# Altium PCB pcb.PcbDoc (part 1 of 2) (continued)
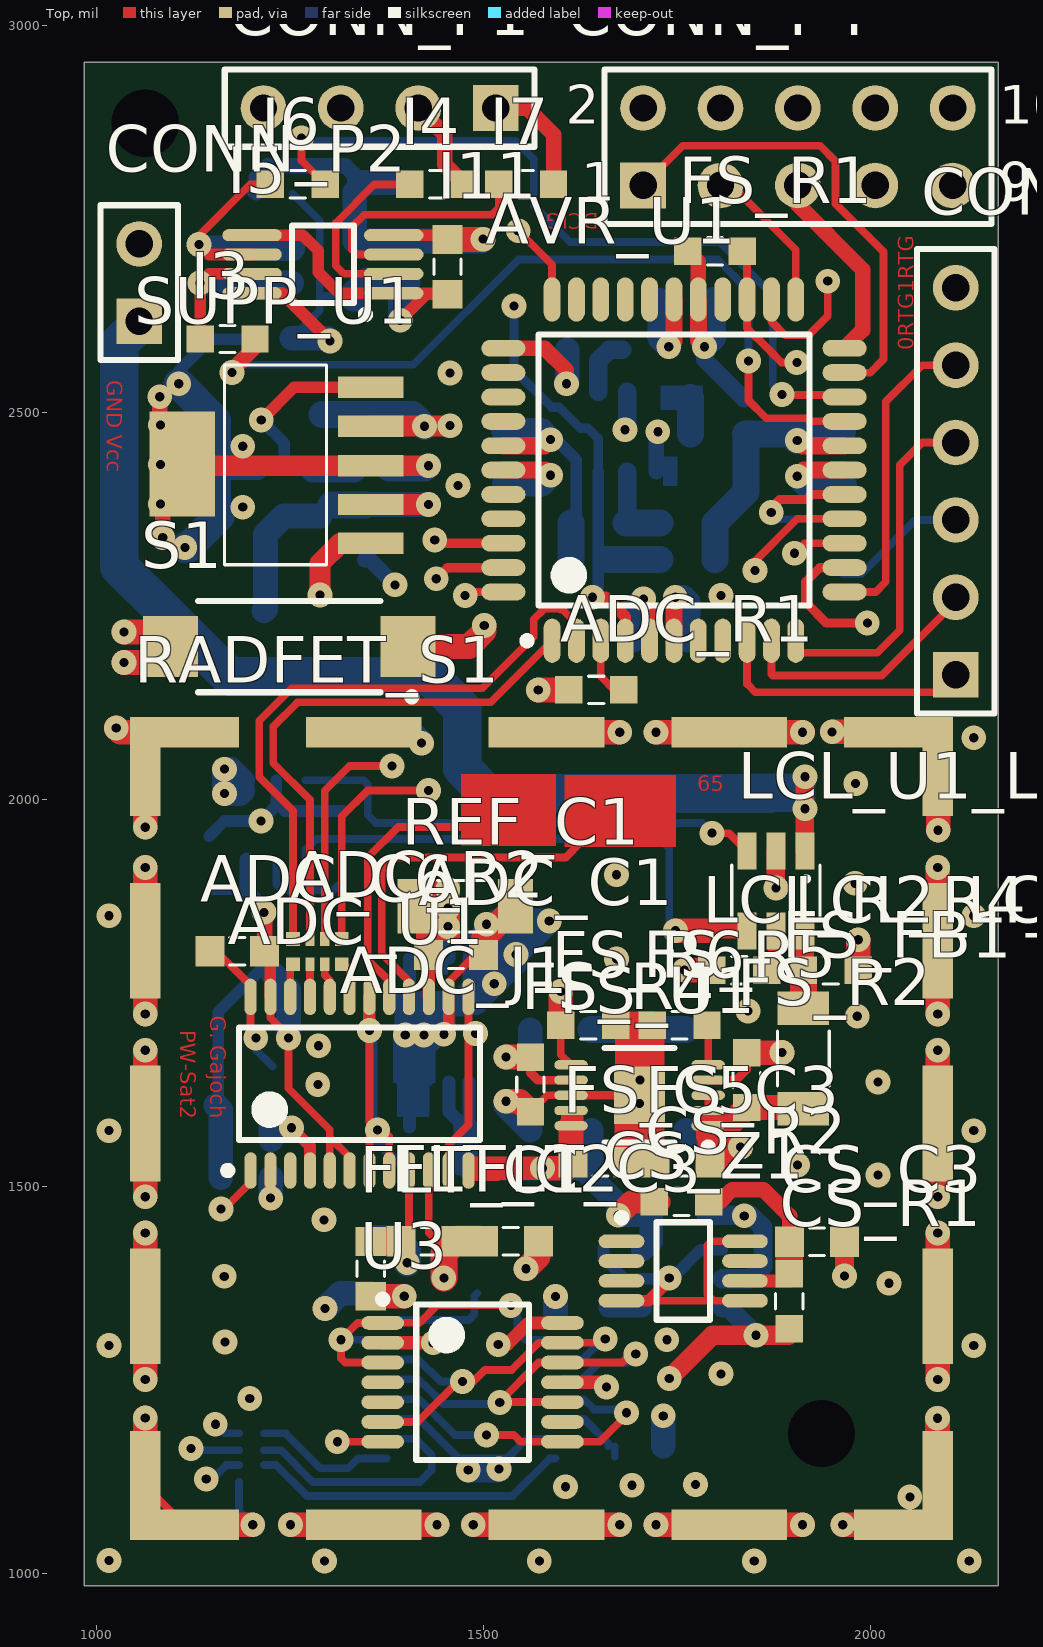
[diagram p0: Top view]
## Components (designator, comment, footprint, x,y, rotation, side; value= is the part's Value field where it differs from the comment)
ADC_C1 "Cap" SMD_Capacitor_0603 1464.57,1799.21 r0 top
ADC_C2 "Cap" SMD_Capacitor_0603 1190,1605 r0 bottom
ADC_C4 "Cap" SMD_Capacitor_0603 1432.88,1522.95 r180 bottom
ADC_C5 "Cap" SMD_Capacitor_1206 1216.88,1709.95 r270 bottom
ADC_C6 "Cap" SMD_Capacitor_0603 1181.88,1803.95 r180 top
ADC_C7 "Cap" SMD_Capacitor_0603 1441.88,1574.95 r180 bottom
ADC_J1 "2 way net tie junction" 2way_LP#1 1322,1704 r180 top net-tie
ADC_J2 "2 way net tie junction" 2way_LP#2 1370,1637 r0 bottom net-tie
ADC_R1 "100R" SMD_Resistor_0603 1645.67,2141.73 r180 top
ADC_R2 "YC124-JR-072K2L" SMD_RESISTOR_ARRAY_YC124 1253.88,1819.95 r0 top
ADC_U1 "AD7714YRZ" TSSOP-24-RU-24-N 1339.88,1632.95 r90 top
AVR_C1 "100n/50V" SMD_Capacitor_0603 1763.8,2310.44 r0 bottom
AVR_C2 "100n/50V" SMD_Capacitor_0603 1962.8,2441.44 r90 bottom
AVR_C3 "100n/50V" SMD_Capacitor_0603 1728.8,2206.44 r0 bottom
AVR_C4 "100n/50V" SMD_Capacitor_0603 1525.8,2441.44 r270 bottom
AVR_C5 "100n/50V" SMD_Capacitor_0603 1762.8,2645.44 r180 bottom
AVR_C6 "100n/50V" SMD_Capacitor_0603 1803.8,2424.44 r0 bottom
AVR_R1 "100R" SMD_Resistor_0603 1648.8,2357.44 r0 bottom
AVR_R2 "100R" SMD_Resistor_0603 1803.15,2519.68 r180 bottom
AVR_R3 "100R" SMD_Resistor_0603 1643.8,2581.44 r180 bottom
AVR_R4 "100R" SMD_Resistor_0603 1763.8,2357.44 r0 bottom
AVR_R5 "100R" SMD_Resistor_0603 1803.15,2472.44 r0 bottom
AVR_U1 "ATMEGA164PV-10AQ" TQFP-44 1746.37,2425.44 r90 top locked
CONN_P1 "Header 4" "HEADER 1x4 MALE" 1515.75,2893.7 r180 top
CONN_P2 "Header 2" "HEADER 1X2 Male" 1055.12,2618.11 r90 top
CONN_P3 "Header 6" "HEADER 1X6 MALE" 2110.24,2161.42 r90 top
CONN_P4 "Header 5X2" "HEADER 2X5 MALE" 1706.3,2793.7 r0 top
CS_C2 "Cap" SMD_Capacitor_0603 1752.16,1462.89 r0 bottom
CS_C3 "Cap" SMD_Capacitor_0603 1931.16,1428.89 r180 top
CS_R1 "12k/0.01%/5 PPM" SMD_Resistor_0603 1895.16,1351.89 r270 top
CS_R2 "10k" SMD_Resistor_0603 1755.91,1480.32 r0 top
CS_R3 "20k" SMD_Resistor_0603 1655.16,1384.89 r270 bottom
CS_U1 "LTC2054" SOT23-5 1757.16,1380.89 r180 bottom
CS_Z1 "1.25V" MSOP-8 1758.16,1390.89 r0 top
FLT_C1 "Cap" SMD_Capacitor_0603 1354.33,1393.7 r90 top
FLT_C2 "Cap" SMD_Capacitor_0603 1429.13,1429.13 r0 top
FLT_C3 "Cap" SMD_Capacitor_0603 1535.43,1429.13 r0 top
FLT_R1 "1k" SMD_Resistor_0603 1354.33,1397.64 r90 bottom
FLT_R2 "1k" SMD_Resistor_0603 1492.13,1397.64 r90 bottom
FS_C2 "Cap" SMD_Capacitor_1206 1761.32,1637.8 r90 bottom
FS_C3 "Cap" SMD_Capacitor_0603 1757.39,1531.5 r180 top
FS_C4 "Cap" SMD_Capacitor_1206 1639.28,1637.8 r90 bottom
FS_C5 "Cap" SMD_Capacitor_0603 1651.09,1531.5 r0 top
FS_C6 "Cap" SMD_Capacitor_1206 1560.54,1637.8 r270 bottom
FS_FB1 "120R/100MHz" SMD_FerriteBead_1206 1913.39,1665.35 r90 top
FS_R1 "100k" SMD_Resistor_0603 1799.21,2708.66 r180 top
FS_R2 "200k" SMD_Resistor_0603 1840.06,1637.59 r90 top
FS_R3 "10k" SMD_Resistor_0603 1964.57,2326.77 r90 bottom
FS_R4 "45k" SMD_Resistor_0603 1560.78,1631.91 r90 top
FS_R5 "1k" SMD_Resistor_0603 1753.45,1708.66 r0 top
FS_R6 "100k" SMD_Resistor_0603 1635.34,1708.66 r180 top
FS_U1 "LT3042" MSOP-10-M-thermal-pad 1701.78,1617.91 r180 top
I1 "4.7k" SMD_Resistor_0603 1253.56,2747.49 r90 bottom
I2 "4.7k" SMD_Resistor_0603 1252.56,2631.49 r270 bottom
I3 "100R" SMD_Resistor_0603 1169.36,2595.24 r180 top
I4 "100R" SMD_Resistor_0603 1440,2795 r180 top
I5 "PCA9517" TSSOP8_L 1292.56,2741.93 r180 top
I6 "100R" SMD_Resistor_0603 1260,2795 r180 top
I7 "100R" SMD_Resistor_0603 1555.12,2795.28 r180 top
I8 "10p/50V" SMD_Capacitor_0603 1206.56,2748.49 r90 bottom
I9 "10p/50V" SMD_Capacitor_0603 1203.56,2630.49 r270 bottom
I10 "100n/50V" SMD_Capacitor_0603 1333.56,2686.49 r270 bottom
I11 "100n/50V" SMD_Capacitor_0603 1453.56,2688.49 r270 top
I12 "1u/25V" SMD_Capacitor_1206 1398.56,2732.49 r270 bottom
"LCL_R2_LCL 3V3d" "75k" SMD_Resistor_0603 1318.9,1953.74 r270 bottom (schematic designator LCL_R2)
"LCL_R2_LCL 5Va" "75k" SMD_Resistor_0603 1830.71,1779.53 r0 top (schematic designator LCL_R2)
"LCL_R4_LCL 3V3d" "100k" SMD_Resistor_0603 1145.67,1917.32 r270 bottom (schematic designator LCL_R4)
"LCL_R4_LCL 5Va" "100k" SMD_Resistor_0603 1948.82,1779.53 r180 top (schematic designator LCL_R4)
"LCL_U1_LCL 3V3d" "TPS2551DBVx" SOT23-6 1232.28,1973.42 r270 bottom (schematic designator LCL_U1)
"LCL_U1_LCL 5Va" "TPS2551DBVx" SOT23-6 1877.95,1881.89 r270 top (schematic designator LCL_U1)
MOS_J1 "2 way net tie junction" 2way_LP#3 1284.05,1295.03 r270 bottom net-tie
MOS_J2 "2 way net tie junction" 2way_LP#3 1685.04,1244.09 r180 bottom net-tie
MUX_C1 "Cap" SMD_Capacitor_0603 1696.84,1164.32 r0 bottom
MUX_R1 "YC124-JR-072K2L" SMD_RESISTOR_ARRAY_YC124 1216.54,1118.11 r90 bottom
MUX_U1 "ADG709" TSSOP16 1483.97,1238.05 r90 bottom
R1 "10k" SMD_Resistor_0603 1648.8,2310.44 r0 bottom
RADFET_S1 "BMI-S-203-F" BMI-S-203-F_NO3D 1043.31,1043.31 r0 top locked
RADFET_S2 "BMI-S-203-F" BMI-S-203-F_NO3D 1043.31,1043.31 r90 bottom locked
REF_C1 "Cap" SMD_Capacitor_1206 1476.38,1862.2 r0 top
REF_U1 "LTC6655-2.5" MSOP-8 1442.88,1714.95 r90 bottom
S1 "Tact Switch" "Tact Switch 3x6" 1249.02,2197.83 r180 top
SUPP_C1 "100n/50V" SMD_Capacitor_0603 1346.83,2345.46 r270 bottom
SUPP_C2 "10u/16V" SMD_Capacitor_1206 1223.83,2366.46 r180 bottom
SUPP_C3 "10u/16V" SMD_Capacitor_1206 1218.83,2487.46 r180 bottom
SUPP_C4 "100n/50V" SMD_Capacitor_0603 1377.83,2462.46 r270 bottom
SUPP_FB2 "120R/100MHz" SMD_FerriteBead_1206 1151.57,2244.09 r0 bottom
SUPP_J1 "2 way net tie junction" 2way_LP#2 1850.39,2003.94 r0 bottom net-tie
SUPP_R1 "1k/1%" SMD_Resistor_0603 1253.83,2305.46 r0 bottom
SUPP_R2 "22k/1%" SMD_Resistor_0603 1332.83,2461.46 r270 bottom
SUPP_R3 "13k/1%" SMD_Resistor_0603 1243.83,2426.46 r180 bottom
SUPP_U1 "Value" TI-DCQ 1212.83,2433.46 r90 top
SUPP_U4 "TPS3813xxxDBV" SOT23-6 1685.8,2475.44 r270 bottom
U1 "Ceramic Crystal" "2.0 x 2.5 mm" 1193,1536 r0 bottom
U3 "CD4007" TSSOP14 1485.97,1247.05 r0 top

## Footprints (in the part's own frame and the unit in brackets; to place one, negate y for a bottom-side part, rotate by r counter-clockwise, add the part's x,y. Pads: shape width x height; smd on the part's side, far side on the other; paste and mask are expansions set on the pad)
"2.0 x 2.5 mm" [mm] "Ceramic Package SMD Oscillator"
  rect 0.9x0.8 smd: 1(-0.825,-0.625) 2(0.825,-0.625) 3(0.825,0.625) 4(-0.825,0.625)
  body extent -1.25,-1 1.25,1, height 0.8
2way_LP#1 [mil] "2 way low power net tie junction"
  rrect5% 20x12 on Mid1 paste-100: 1(-14,0) 2(14,0)
2way_LP#2 [mil] "2 way low power net tie junction"
  rrect5% 20x12 smd paste-100: 1(-14,0) 2(14,0)
2way_LP#3 [mil] "2 way low power net tie junction"
  rrect5% 20x12 on Mid2 paste-100: 1(-14,0) 2(14,0)
BMI-S-203-F_NO3D [mm] "STANDARD SURFACE MOUNT SHIELD  TWO-PIECE 26.21x26.21x5.08mm"
  rect 1x3.57 smd: 0(0.5,1.785) 0(26.51,1.785)
  rect 1x3.8 smd: 0(0.5,7.67) 0(0.5,13.67) 0(0.5,19.67) 0(26.51,7.67) 0(26.51,13.67) 0(26.51,19.67)
  rect 1x3.24 smd: 0(0.5,25.39) 0(26.51,25.39)
  rect 3.57x1 smd: 0(1.785,0.5) 0(1.785,26.51) 0(25.225,26.51)
  rect 3.8x1 smd: 0(7.67,0.5) 0(7.67,26.51) 0(13.67,0.5) 0(13.67,26.51) 0(19.67,0.5) 0(19.67,26.51)
  rect 3.24x1 smd: 0(25.39,0.5)
  body extent 0,0 0.2,0.2, height 0.1
"HEADER 1X2 Male" [mm] "Connector; Header; 2 Position; Straight; Male"
  rect 1.5x1.5 hole 0.9: 1(0,0)
  round 1.5 hole 0.9: 2(2.54,0)
  silkscreen extent -1.27,-1.27 3.81,1.27, body extent -1.17,-1.25 3.91,1.25, height 8.2
"HEADER 1x4 MALE" [mm] "Connector; Header; 4 Position; Male"
  rect 1.5x1.5 hole 0.9: 1(0,0)
  round 1.5 hole 0.9: 2(2.54,0) 3(5.08,0) 4(7.62,0)
  silkscreen extent -1.27,-1.27 8.89,1.27, body extent -1.17,-1.25 8.99,1.25, height 8.2
"HEADER 1X6 MALE" [mm] "Connector; Header; 6 Position, Male"
  rect 1.5x1.5 hole 0.9: 1(0,0)
  round 1.5 hole 0.9: 2(2.54,0) 3(5.08,0) 4(7.62,0) 5(10.16,0) 6(12.7,0)
  silkscreen extent -1.27,-1.27 13.97,1.27, body extent -1.17,-1.25 14.07,1.25, height 8.2
"HEADER 2X5 MALE" [mm] "Connector; Header; 5x2 Position; Male"
  rect 1.5x1.5 hole 0.9: 1(0,0)
  round 1.5 hole 0.9: 2(0,2.54) 3(2.54,0) 4(2.54,2.54) 5(5.08,0) 6(5.08,2.54) 7(7.62,0) 8(7.62,2.54) 9(10.16,0) 10(10.16,2.54)
  silkscreen extent -1.27,-1.27 11.43,3.81, body extent -1.27,-1.27 11.43,3.81, height 8.5
MSOP-8 [mm] "MSOP, 8-Leads, Body 3x3mm, Pitch 0.65mm, IPC High Density"
  oval 1.5x0.45 smd: 1(-2.025,0.975) 2(-2.025,0.325) 3(-2.025,-0.325) 4(-2.025,-0.975) 5(2.025,-0.975) 6(2.025,-0.325) 7(2.025,0.325) 8(2.025,0.975)
  silkscreen extent -2.15,-1.6 0.87,1.87, body extent -2.47,-1.55 2.47,1.55, height 1.1
MSOP-10-M-thermal-pad [mm] "MSOP, 10-Leads, Body 3.00x3.00mm, Pitch 0.50mm, Thermal Pad 1.88x1.68mm, IPC High Density"
  oval 1.1x0.305 smd: 1(-2.25,1) 2(-2.25,0.5) 3(-2.25,0) 4(-2.25,-0.5) 5(-2.25,-1) 6(2.25,-1) 7(2.25,-0.5) 8(2.25,0) 9(2.25,0.5) 10(2.25,1)
  rect 1.68x1.88 smd: 11(0,0)
  silkscreen extent -2.38,-1.55 1.15,1.83, body extent -2.45,-1.55 2.45,1.55, height 1.1
SMD_Capacitor_0603 [mm] "SMD Capacitor, Inch 0603, Metric 1608."
  rect 0.95x1 smd: 1(-0.9,0) 2(0.9,0)
  silkscreen extent -0.25,-0.45 0.25,0.45, body extent -0.8,-0.4 0.8,0.4, height 0.3
SMD_Capacitor_1206 [mm] "SMD Capacitor, Inch 1206, Metric 3216."
  rect 1.15x1.8 smd: 1(-1.65,0) 2(1.65,0)
  silkscreen extent -0.9,-0.85 0.9,0.85, body extent -1.6,-0.8 1.6,0.8, height 1
SMD_FerriteBead_1206 [mm] "SMD Ferrite Bead, Inch 1206, Metric 3216."
  rect 1.1x1.7 smd: 1(-1.65,0) 2(1.65,0)
  silkscreen extent -0.9,-0.85 0.9,0.85, body extent -1.6,-0.8 1.6,0.8, height 1.1
SMD_Resistor_0603 [mm] "SMD Resistor, Inch 0603, Metric 1608."
  rect 0.9x0.9 smd: 1(-0.9,0) 2(0.9,0)
  silkscreen extent -0.25,-0.45 0.25,0.45, body extent -0.8,-0.45 0.8,0.45, height 0.5
SMD_RESISTOR_ARRAY_YC124 [mm]
  rect 0.45x0.45 smd: 1(0,-0.826) 4(1.6,-0.826) 5(1.6,0) 8(0,0)
  rect 0.3x0.45 smd: 2(0.559,-0.826) 3(1.041,-0.826) 6(1.041,0) 7(0.559,0)
  body extent -0.2,-0.91 1.8,0.09, height 0.45
SOT23-5 [mm] "JEDEC MO-178AA package."
  rect 1.22x0.62 smd: 1(-1.31,0.95) 2(-1.31,0) 3(-1.31,-0.95) 4(1.31,-0.95) 5(1.31,0.95)
  silkscreen extent -0.85,-1.45 0.85,1.45, body extent -1.4,-1.45 1.4,1.45, height 1.45
SOT23-6 [mm] "JEDEC MO-178AB package."
  rect 1.22x0.62 smd: 1(-1.31,0.95) 2(-1.31,0) 3(-1.31,-0.95) 4(1.31,-0.95) 5(1.31,0) 6(1.31,0.95)
  silkscreen extent -0.85,-1.45 0.85,1.45, body extent -1.4,-1.45 1.4,1.45, height 1.45
"Tact Switch 3x6" [mm] "SODFL, 2-Leads, Body 3,00x8,00mm, IPC Medium Density"
  rect 1.8x2 smd: 1(-3.9,0) 2(3.9,0)
  silkscreen extent -4.15,-1.5 3,1.77, body extent -4,-1.8 4,1.8, height 2.6
TI-DCQ [mm] "Texas Instruments DCQ (R-PDSO-G6) package"
  rect 0.7x2.15 smd: 1(-2.6,-3.6) 2(-1.325,-3.6) 3(-0.05,-3.6) 4(1.25,-3.6) 5(2.525,-3.6)
  rect 3.45x2.15 smd: 6(0,2.6)
  silkscreen extent -3.3,-2.15 3.25,1.2, body extent -3.32,-4.07 3.23,3.19, height 1.8
TQFP-44 [mm]
  oval 1.45x0.55 smd: 1(-5.591,4.005) 2(-5.591,3.205) 3(-5.591,2.405) 4(-5.591,1.605) 5(-5.591,0.805) 6(-5.591,0.005) 7(-5.591,-0.795) 8(-5.591,-1.595) 9(-5.591,-2.395) 10(-5.591,-3.195) 11(-5.591,-3.995) 23(5.609,-3.995) 24(5.609,-3.195) 25(5.609,-2.395) 26(5.609,-1.595) 27(5.609,-0.795) 28(5.609,0.005) 29(5.609,0.805) 30(5.609,1.605) 31(5.609,2.405) 32(5.609,3.205) 33(5.609,4.005)
  oval 0.55x1.45 smd: 12(-3.991,-5.595) 13(-3.191,-5.595) 14(-2.391,-5.595) 15(-1.591,-5.595) 16(-0.791,-5.595) 17(0.009,-5.595) 18(0.809,-5.595) 19(1.609,-5.595) 20(2.409,-5.595) 21(3.209,-5.595) 22(4.009,-5.595) 34(4.009,5.605) 35(3.209,5.605) 36(2.409,5.605) 37(1.609,5.605) 38(0.809,5.605) 39(0.009,5.605) 40(-0.791,5.605) 41(-1.591,5.605) 42(-2.391,5.605) 43(-3.191,5.605) 44(-3.991,5.605)
  silkscreen extent -5.72,-4.45 4.46,4.95, body extent -6,-6 6,6, height 1.07
TSSOP8_L [mm] "TSSOP, 8-Leads, Pitch 0.65mm, IPC High Density"
  oval 1.95x0.4 smd: 1(-2.325,2.222) 2(-2.325,1.587) 3(-2.325,0.952) 4(-2.325,0.317) 5(2.325,0.318) 6(2.325,0.953) 7(2.325,1.588) 8(2.325,2.223)
  silkscreen extent -1.52,0 1.02,3.05, body extent -2.5,-0.28 2.5,2.82, height 1.1
TSSOP14 [mm] "TSSOP, 14-Leads, Body 5.00x4.40mm, Pitch 0.65mm, IPC Medium Density"
  oval 1.4x0.45 smd: 1(-2.95,1.95) 2(-2.95,1.3) 3(-2.95,0.65) 4(-2.95,0) 5(-2.95,-0.65) 6(-2.95,-1.3) 7(-2.95,-1.95) 8(2.95,-1.95) 9(2.95,-1.3) 10(2.95,-0.65) 11(2.95,0) 12(2.95,0.65) 13(2.95,1.3) 14(2.95,1.95)
  silkscreen extent -3.07,-2.55 1.85,2.85, body extent -3.2,-2.55 3.2,2.55, height 1.2
TSSOP16 [mm] "Shrink Small Outline; 16 Leads; Body Width 4.4 mm; Pitch 0.65 mm"
  rect 0.3x1.65 smd: 1(-2.275,-2.775) 2(-1.625,-2.775) 3(-0.975,-2.775) 4(-0.325,-2.775) 5(0.325,-2.775) 6(0.975,-2.775) 7(1.625,-2.775) 8(2.275,-2.775) 9(2.275,2.775) 10(1.625,2.775) 11(0.975,2.775) 12(0.325,2.775) 13(-0.325,2.775) 14(-0.975,2.775) 15(-1.625,2.775) 16(-2.275,2.775)
  silkscreen extent -3.1,-2.9 2.55,1.55, body extent -2.5,-3.2 2.5,3.2, height 1.1
TSSOP-24-RU-24-N [mm] "24-Lead Thin Shrink Small Outline Package TSSOP (RU-24) High density"
  oval 1.2x0.4 smd: 1(-2.85,3.575) 2(-2.85,2.925) 3(-2.85,2.275) 4(-2.85,1.625) 5(-2.85,0.975) 6(-2.85,0.325) 7(-2.85,-0.325) 8(-2.85,-0.975) 9(-2.85,-1.625) 10(-2.85,-2.275) 11(-2.85,-2.925) 12(-2.85,-3.575) 13(2.85,-3.575) 14(2.85,-2.925) 15(2.85,-2.275) 16(2.85,-1.625) 17(2.85,-0.975) 18(2.85,-0.325) 19(2.85,0.325) 20(2.85,0.975) 21(2.85,1.625) 22(2.85,2.275) 23(2.85,2.925) 24(2.85,3.575)
  silkscreen extent -2.97,-3.95 1.85,4.45, body extent -3.19,-3.95 3.19,3.95, height 1.1

## Part data
ADC_J1 ADC_J2 MOS_J1 MOS_J2 SUPP_J1: library part 2way
ADC_R1 AVR_R1 AVR_R2 AVR_R3 AVR_R4 AVR_R5 CS_R1 CS_R2 CS_R3 FLT_R1 FLT_R2 FS_R1 FS_R2 FS_R3 FS_R4 FS_R5 FS_R6 I1 I2 I3 I4 I6 I7 "LCL_R2_LCL 3V3d" "LCL_R2_LCL 5Va" "LCL_R4_LCL 3V3d" "LCL_R4_LCL 5Va" SUPP_R2 SUPP_R3: library part Res
ADC_R2 MUX_R1: "RESISTOR ARRAY, 4 x 0402"
ADC_U1: "5 Channel 24-Bit Signal Conditioning Analog-to-Digital Converter with Serial, SPI Interface, 500 uA, CMOS, 3 V / 5 V, 1KSPS, -40 to +105 degC, RW-24, Pb-Free, Tube"
AVR_C1 AVR_C2 AVR_C3 AVR_C4 AVR_C5 AVR_C6 I10 I11 SUPP_C1 SUPP_C4: library part Cer_C0603T104K5RALTU, "Ceramic Cap Kemet COTS 100n/50V X7R 0603"
AVR_U1: "General-purpose microcontroller"
CONN_P1: "Header, 4-Pin"
CONN_P2: "Header, 2-Pin"
CONN_P3: "Header, 6-Pin"
CONN_P4: "Header, 5-Pin, Dual row"
CS_U1: "Single/Dual Micropower  Zero-Drift Operational Amplifi ers"
CS_Z1: library part LT1634BCMS8-1.25#PBF, "Micropower Precision  Shunt Voltage Reference"
FS_FB1 SUPP_FB2: library part BLM31PG121SH1L, "Ferrite bead, 1206, 0.02HM, 3.5A."
FS_U1: "20V, 200mA, Ultralow Noise, Ultrahigh PSRR RF Linear Regulator"
I5: "Level-Translating I2C Bus Repeater"
I8 I9: library part Cer_GCM1885C1H100JA16D, "Ceramic Cap Murata Automotive 10p/50V C0G 0603"
I12: library part Cer_C1206T105K3RALTU, "Ceramic Cap Kemet COTS 1u/25V X7R 1206"
"LCL_U1_LCL 3V3d" "LCL_U1_LCL 5Va": "Adjustable Current-Limited Power-Distribution Switch."
MUX_U1: "CMOS Analog 4-Channel Multiplexer"
R1: library part CRCW060310K0FKxxxx, "10k/1% Vishay CRCW 0603 Resistor. 100mW, 100ppm, 75V."
RADFET_S1 RADFET_S2: "STANDARD SURFACE MOUNT SHIELD TWO-PIECE 26.21x26.21x5.08mm"
REF_U1: "0.25ppm Noise, Low Drift  Precision References"
S1: library part TactSwitch
SUPP_C2 SUPP_C3: library part Cer_C1206T106K4RACTU, "Ceramic Cap Kemet COTS 10u/16V X7R 1206"
SUPP_R1: library part CRCW06031K00FKxxxx, "1k/1% Vishay CRCW 0603 Resistor. 100mW, 100ppm, 75V."
SUPP_U1: library part TPS79601DCQG4, "1A, Ajdustable LDO, Ultralow-Noise, High PSRR, Fast, RF"
SUPP_U4: "Processor Supervisory Circuits with Window-Watchdog."
U1: library part ISM95-3351AH-1.0000, "Ceramic Crystal 1 MHz, A-Grade 25 ppm/deg"
U3: "CMOS Dual Complementary Pair Plus Inverter"

## Free pads (board coordinates)
  round 0 hole 86.61 unplated: ""(1062.99,2874.02) ""(1937.01,1181.1)

## Via types
v1: diameter 32, hole 11.81, Top to Bottom, 188 vias

## Nets (pads, with @x,y where several pads share a name; then routed paths per layer and width w, separated by ;. In a path a pad name is that pad's centre, name@x,y a point inside that pad or via, vN(x,y) a via of type N, cw(c..) or ccw(c..) an arc to the next point about the centre after c; other vN are vias at no path point)
AD7714_C\S\: ADC_R2.5 AVR_U1.14 | length 976.3
  Top w10: ADC_R2.5@1316.88,1819.95 1316.88,1978.3 1350.39,2011.81 v1(1429.13,2011.81) ; v1(1902.07,2318.41) 1914.97,2331.31 AVR_U1.14@1966.65,2331.31
  Layer 3 w10: v1(1429.13,2011.81) 1441.81,2011.81 1520,2090 1625,2090 1655,2120 1739.54,2120 1901.57,2282.03 1901.57,2318.9 v1(1902.07,2318.41)
AD7714_D\R\D\Y\: ADC_R2.6 AVR_U1.15 | length 1045
  Top w10: ADC_R2.6@1294.88,1819.95 1294.88,2011.42 1326.77,2043.31 v1(1381.89,2043.31) ; v1(1851,2296) 1851,2308.35 1905.45,2362.8 AVR_U1.15@1966.65,2362.8
  Layer 3 w10: v1@1370.08,2043.31 1438.31,2043.31 1507.73,2112.73 1617.73,2112.73 1645,2140 1724.32,2140 1851,2266.68 v1(1851,2296)
ADC.NEGATIVE: ADC_U1.10 FLT_C2.2 FLT_C3.1 FLT_R2.2 | length 256.7
  Top w10: ADC_U1.10@1429.45,1520.75 1429.45,1440.63 1440.94,1429.13 FLT_C2.2@1464.57,1429.13
  Top w35: v1(1448.82,1381.89) 1448.82,1413.39 FLT_C2.2@1464.57,1429.13
  Bottom w35: v1(1448.82,1381.89) 1448.82,1413.39 1468.5,1433.07 FLT_R2.2@1492.13,1433.07
ADC.POSITIVE: ADC_U1.9 FLT_C1.2 FLT_C2.1 FLT_R1.2 | length 190.3
  Top w10: FLT_C2.1@1403.86,1439.29 ADC_U1.9@1403.86,1520.75
  Top w35: FLT_C1.2@1354.33,1429.13 FLT_C2.1@1393.7,1429.13
  Bottom w35: FLT_R1.2@1354.33,1433.07 1385.83,1433.07 1401.57,1417.32 v1(1401.57,1401.57)
ADC_P: MOS_J1.2 MOS_J2.2 U3.2 U3.7 U3.11 U3.14 | length 859.3
  Top w10: v1(1311.2,1170.28) U3.7@1369.83,1170.28 ; U3.14@1602.11,1323.82 U3.14@1608.74,1323.82 ; v1@1652.97,1247.05 v1(1658.97,1241.05)
  Top w17: U3.2@1369.83,1298.23 v1@1434.86,1298.23 ; v1@1530.05,1296.03 1530.97,1296.03 1558.76,1323.82 U3.14@1602.11,1323.82 ; U3.11@1602.11,1247.05 v1@1652.97,1247.05
  Top w18: v1@1434.86,1298.23 v1(1435.05,1298.03)
  Layer 3 w10: v1@1309.25,1172.22 v1(1311.2,1170.28) v1@1311.2,1174.17
  Layer 3 w12: MOS_J1.2@1284.05,1281.03 1284.05,1197.42 v1@1309.25,1172.22
  Layer 3 w32: v1(1311.2,1170.28) 1368.15,1170.28 1397.63,1199.76 1397.63,1260.61 v1(1435.05,1298.03) 1517.05,1298.03 v1(1519.05,1296.03) 1557.26,1296.03 1612.24,1241.05 v1(1658.97,1241.05)
AGND: "LCL_R2_LCL 5Va.1" "LCL_R4_LCL 5Va.1" "LCL_U1_LCL 5Va.2" ADC_C4.2 ADC_J1.1 ADC_J2.1 ADC_U1.7 ADC_U1.8 ADC_U1.18 CS_C2.2 CS_C3.1 CS_U1.2 FLT_C1.1 FLT_C3.2 FS_C2.2 FS_C3.2 FS_C4.2 FS_C5.2 FS_C6.2 FS_R4.1 FS_R5.1 FS_R6.1 FS_U1.8 FS_U1.11 MUX_C1.2 MUX_R1.1 MUX_U1.3 MUX_U1.9 MUX_U1.15 RADFET_S1.0 RADFET_S2.0 | length 7396
  Top w10: RADFET_S1.0@1062.99,1113.58 RADFET_S1.0@1113.58,1062.99 ; ADC_U1.7@1352.68,1520.75 v1@1352.68,1564.16 ; v1(1352.68,1701.75) 1352.68,1583.23 v1(1362.97,1572.94) ; v1@1362.88,1564.95 1378.27,1564.95 ADC_U1.8@1378.27,1520.75 ; FS_R4.1@1560.78,1596.47 1582.21,1617.91 FS_U1.8@1613.2,1617.91
  Top w11: FS_U1.8@1613.2,1617.91 FS_U1.11@1701.78,1617.91
  Top w16: v1(1352.68,1701.75) ADC_U1.18@1352.68,1745.16
  Top w24: v1(1877.95,1885.83) 1877.95,1933.46
  Top w25: v1(1966.59,1384.46) CS_C3.1@1966.59,1428.89
  Top w32: v1(1025.59,2092.52) 1031.1,2087.01 RADFET_S1.0@1106.3,2087.01 ; RADFET_S1.0@1062.99,1106.3 RADFET_S1.0@1062.99,1113.58 v1(1062.99,1200.98) ; v1(1062.99,1250.59) RADFET_S1.0@1062.99,1345.28 v1(1062.99,1439.96) ; v1(1062.99,1486.81) RADFET_S1.0@1062.99,1581.5 v1(1062.99,1676.18) ; v1(1062.99,1723.03) RADFET_S1.0@1062.99,1817.72 v1(1062.99,1912.4) ; v1(1062.99,1964.37) RADFET_S1.0@1062.99,2042.91 RADFET_S1.0@1062.99,2059.06 ; RADFET_S1.0@1105.91,2086.61 RADFET_S1.0@1106.3,2087.01 ; RADFET_S1.0@1107.28,1062.99 RADFET_S1.0@1113.58,1062.99 v1(1201.97,1062.99) ; RADFET_S1.0@1113.58,2087.01 RADFET_S1.0@1106.3,2087.01 ; v1(1250.59,1062.99) RADFET_S1.0@1345.28,1062.99 v1(1439.96,1062.99) ; RADFET_S1.0@1294.29,2087.01 RADFET_S1.0@1345.28,2087.01 RADFET_S1.0@1348.62,2087.01 ; FLT_C1.1@1354.33,1358.27 v1(1397.64,1358.27) ; v1(1486.81,1062.99) RADFET_S1.0@1581.5,1062.99 v1(1676.18,1062.99) ; v1(1529.04,1610.24) 1547.02,1610.24 FS_R4.1@1560.78,1596.47 ; v1(1555.12,1393.7) 1570.87,1409.45 FLT_C3.2@1570.87,1429.13 ; RADFET_S1.0@1581.5,2087.01 v1(1676.18,2087.01) ; v1(1723.03,1062.99) RADFET_S1.0@1817.72,1062.99 v1(1912.4,1062.99) ; v1(1723.03,2087.01) RADFET_S1.0@1817.72,2087.01 v1(1912.4,2087.01) ; v1(1759.84,1779.53) 1795.28,1779.53 ; v1(1950.59,2087.6) RADFET_S1.0@2045.28,2087.6 ; v1(1964.37,1062.99) RADFET_S1.0@2042.91,1062.99 RADFET_S1.0@2059.06,1062.99 ; 1984.25,1779.53 v1(1984.25,1818.9) ; RADFET_S1.0@2086.61,1105.91 v1(2086.61,1200.59) ; v1(2087.01,1250.59) RADFET_S1.0@2087.01,1345.28 v1(2087.01,1439.96) ; v1(2087.01,1486.81) RADFET_S1.0@2087.01,1581.5 v1(2087.01,1676.18) ; v1(2087.01,1723.03) RADFET_S1.0@2087.01,1817.72 v1(2087.01,1912.4) ; v1(2087.6,1960.43) RADFET_S1.0@2087.6,2055.12
  Top w35: FS_R6.1@1670.77,1708.66 FS_R5.1@1718.02,1708.66
  Bottom w10: v1(1025.59,2092.52) 1108.07,2092.52 RADFET_S2.0@1113.58,2087.01 RADFET_S2.0@1107.09,2087.01 ; v1(1062.99,1250.59) RADFET_S2.0@1062.99,1345.28 ; MUX_R1.1@1184.04,1118.11 1184.04,1080.93 v1(1201.97,1062.99) ; MUX_U1.3@1374.71,1199.66 1416.88,1199.66 1433.51,1183.03 1433.6,1183.03 1468.05,1148.57 ; v1(1480.32,1133.86) 1480.32,1136.31 1468.05,1148.57 ; MUX_U1.15@1593.22,1174.07 1555.99,1174.07 1530.49,1148.57 1468.05,1148.57 ; MUX_U1.9@1593.22,1327.61 MUX_U1.9@1616.53,1327.61 ; RADFET_S2.0@2087.01,2036.42 RADFET_S2.0@2087.01,2042.91
  Bottom w12: v1@1365.04,1577.76 1365.04,1555.36 ADC_C4.2@1397.45,1522.95
  Bottom w16: v1@1354.98,1700.79 1354.98,1587.82 v1@1365.04,1577.76
  Bottom w25: CS_C2.2@1787.59,1462.89 v1@1845.16,1462.89 ; CS_U1.2@1808.73,1380.89 1845.16,1380.89 1861.16,1396.89 1861.16,1446.89 v1@1845.16,1462.89 ; v1(1837.07,1462.13) 1840.09,1462.13 1840.24,1462.29 1842.4,1460.13 v1@1845.16,1462.89
  Bottom w32: RADFET_S2.0@1062.99,1113.58 v1(1062.99,1200.98) ; RADFET_S2.0@1062.99,1345.28 v1(1062.99,1439.96) ; v1(1062.99,1486.81) RADFET_S2.0@1062.99,1581.5 v1(1062.99,1676.18) ; v1(1062.99,1723.03) RADFET_S2.0@1062.99,1817.72 v1(1062.99,1912.4) ; v1(1062.99,1964.37) RADFET_S2.0@1062.99,2042.91 ; RADFET_S2.0@1113.58,1062.99 v1(1201.97,1062.99) ; v1(1250.59,1062.99) RADFET_S2.0@1345.28,1062.99 v1(1439.96,1062.99) ; RADFET_S2.0@1294.29,2084.65 1296.65,2087.01 RADFET_S2.0@1345.28,2087.01 1406.35,2087.01 1420,2073.35 v1(1420,2073) ; v1(1480.32,1133.86) 1518.86,1133.86 v1(1520,1135) ; v1(1486.81,1062.99) RADFET_S2.0@1581.5,1062.99 v1(1676.18,1062.99) ; v1(1529.04,1610.24) 1529.04,1604.33 FS_C6.2@1560.54,1572.83 ; RADFET_S2.0@1581.5,2087.01 v1(1676.18,2087.01) ; 1592.97,1337.05 1593.22,1337.3 v1(1593.22,1357.8) ; v1(1723.03,1062.99) RADFET_S2.0@1817.72,1062.99 v1(1912.4,1062.99) ; v1(1723.03,2087.01) RADFET_S2.0@1817.72,2087.01 ; MUX_C1.2@1732.27,1164.32 v1(1732.27,1203.69) ; v1(1950.59,2087.6) 2042.32,2087.6 RADFET_S2.0@2042.91,2087.01 ; v1(1964.37,1062.99) RADFET_S2.0@2042.91,1062.99 ; v1(2086.61,1200.59) 2086.61,1113.98 RADFET_S2.0@2087.01,1113.58 ; v1(2087.01,1250.59) RADFET_S2.0@2087.01,1345.28 v1(2087.01,1439.96) ; v1(2087.01,1486.81) RADFET_S2.0@2087.01,1581.5 v1(2087.01,1676.18) ; v1(2087.01,1723.03) RADFET_S2.0@2087.01,1817.72 v1(2087.01,1912.4)
  Bottom w35: FS_C4.2@1639.28,1702.76 1702.27,1702.76 ; v1(1701.46,1607.11) 1702.27,1607.91 v1(1702.27,1637.8) 1702.27,1702.76 ; FS_C2.2@1761.32,1702.76 1702.27,1702.76
  other v1: 1294.5,1016 1572.25,1016 1850,1016 2127.75,1016 1016,1016.75 2051,1099 1606,1112 1692,1114 1774,1115 1198,1226 1807,1258 1016,1294.5 2133.61,1294.5 1166,1299 1737,1302 2024,1375 1165,1384 2010,1515 1906,1528 1016,1572.25 2133.61,1572.25 2010,1635 1983,1720 1842,1727 1672,1794 1016,1850 2133.61,1850 1980,1892 1672,1903 1981,2021 2133.61,2080
AIN5: ADC_U1.16 | length 450.1
  Top w10: ADC_U1.16@1403.86,1745.16 1403.86,1765.43 1368.64,1800.65 1368.64,1908.01 1385.83,1925.2 1606.3,1925.2 1625.98,1944.88
AIN6: ADC_U1.17 | length 353.4
  Top w10: ADC_U1.17@1378.27,1745.16 1378.27,1765.57 1350.64,1793.2 1350.64,1925.44 1389.76,1964.57 1496.06,1964.57
C_DIODE_0-2: MUX_U1.4 MUX_U1.13 U3.8 | length 449.2
  Top w10: v1(1504.05,1179.03) 1539.05,1179.03 1547.81,1170.28 U3.8@1602.11,1170.28 1650.3,1170.28 1685.03,1205 v1(1685.03,1207.63)
  Bottom w10: MUX_U1.4@1374.71,1225.25 1416.75,1225.25 1440.97,1201.03 1441.05,1201.03 1463.05,1179.03 v1(1504.05,1179.03) ; MUX_U1.13@1593.22,1225.25 1629.76,1225.25 1642.97,1212.05 1680.61,1212.05 v1(1685.03,1207.63)
C_MOS_0: MUX_U1.6 MUX_U1.11 U3.6 U3.13 | length 526.4
  Top w10: U3.6@1369.83,1195.87 1414.96,1195.87 1473.05,1253.96 v1(1473.05,1248.03) 1487.05,1248.03 1502.05,1263.03 1536.5,1263.03 1571.69,1298.23 U3.13@1602.11,1298.23 1652.56,1298.23 v1@1655.05,1300.72
  Bottom w10: MUX_U1.6@1374.71,1276.43 1415.64,1276.43 1423.04,1269.03 1430.83,1261.25 1431.66,1261.25 1444.88,1248.03 v1(1473.05,1248.03) ; MUX_U1.11@1593.22,1276.43 1627.88,1276.43 1639.5,1288.05 1639.61,1288.05 1657.48,1305.91 v1(1657.48,1303.15)
C_MOS_1: MUX_U1.7 MUX_U1.10 U3.1 U3.3 | length 468.6
  Top w10: U3.3@1369.83,1272.64 1321.38,1272.64 1315.97,1278.05 v1(1315.97,1302.05) 1337.74,1323.82 U3.1@1369.83,1323.82 ; U3.1@1371.97,1324.05 1417.59,1324.05 1440,1346.46 v1(1535.43,1346.46)
  Bottom w10: v1(1315.97,1302.05) MUX_U1.7@1374.71,1302.02 ; v1(1535.43,1346.46) 1535.43,1346.4 1532.07,1343.03 1544.05,1331.05 1544.05,1312.04 1548.05,1308.04 1554.06,1302.02 MUX_U1.10@1593.22,1302.02
C_MOS_2: MUX_U1.5 MUX_U1.12 U3.10 U3.12 | length 581.9
  Top w10: v1(1521.05,1221.03) v1@1521.05,1222.13 ; U3.10@1602.11,1221.46 1521.73,1221.46 1521.6,1221.58 v1@1521.05,1222.13 ; v1(1696.85,1283.46) 1690.55,1283.46 1679.72,1272.64 U3.12@1602.11,1272.64 1571.56,1272.64 v1@1521.05,1222.13
  Bottom w10: MUX_U1.5@1374.71,1250.84 1415.79,1250.84 1423.38,1243.25 1424.2,1243.25 1448.43,1219.03 1529.05,1219.03 1531.05,1221.03 v1(1521.05,1221.03) ; MUX_U1.12@1593.22,1250.84 1594.01,1250.05 1627.07,1250.05 1629.97,1252.94 1629.97,1253.06 1646.95,1270.05 1647.07,1270.05 1648.68,1271.65 1685.04,1271.65 v1(1696.85,1283.46)
CS: ADC_R2.4 ADC_U1.19 | length 45.3
  Top w10: ADC_R2.4@1319.88,1787.45 1327.09,1780.25 ADC_U1.19@1327.09,1745.16
"CURRENT +": CS_R1.2 CS_U1.3 MOS_J2.1 | length 280.1
  Top w25: v1(1740.16,1251.97) 1796.08,1307.89 CS_R1.2@1894.59,1307.89
  Layer 3 w25: MOS_J2.1@1699.04,1244.09 1728.35,1244.09 1736.22,1251.97 v1(1740.16,1251.97)
  Bottom w25: CS_U1.3@1808.73,1343.49 1816.56,1343.49 v1(1852.16,1307.89)